# Altium PCB DTU_V1.0.PcbDoc (part 3 of 3)
Units mil, origin at the board's own origin, x right, y up, seen from the top; angles counter-clockwise.
Board outline 7874.02 x 4133.86 mil, 2 copper layers (Top Layer, Bottom Layer); 331 components, 284 nets, 1278 pads, 2035 vias.
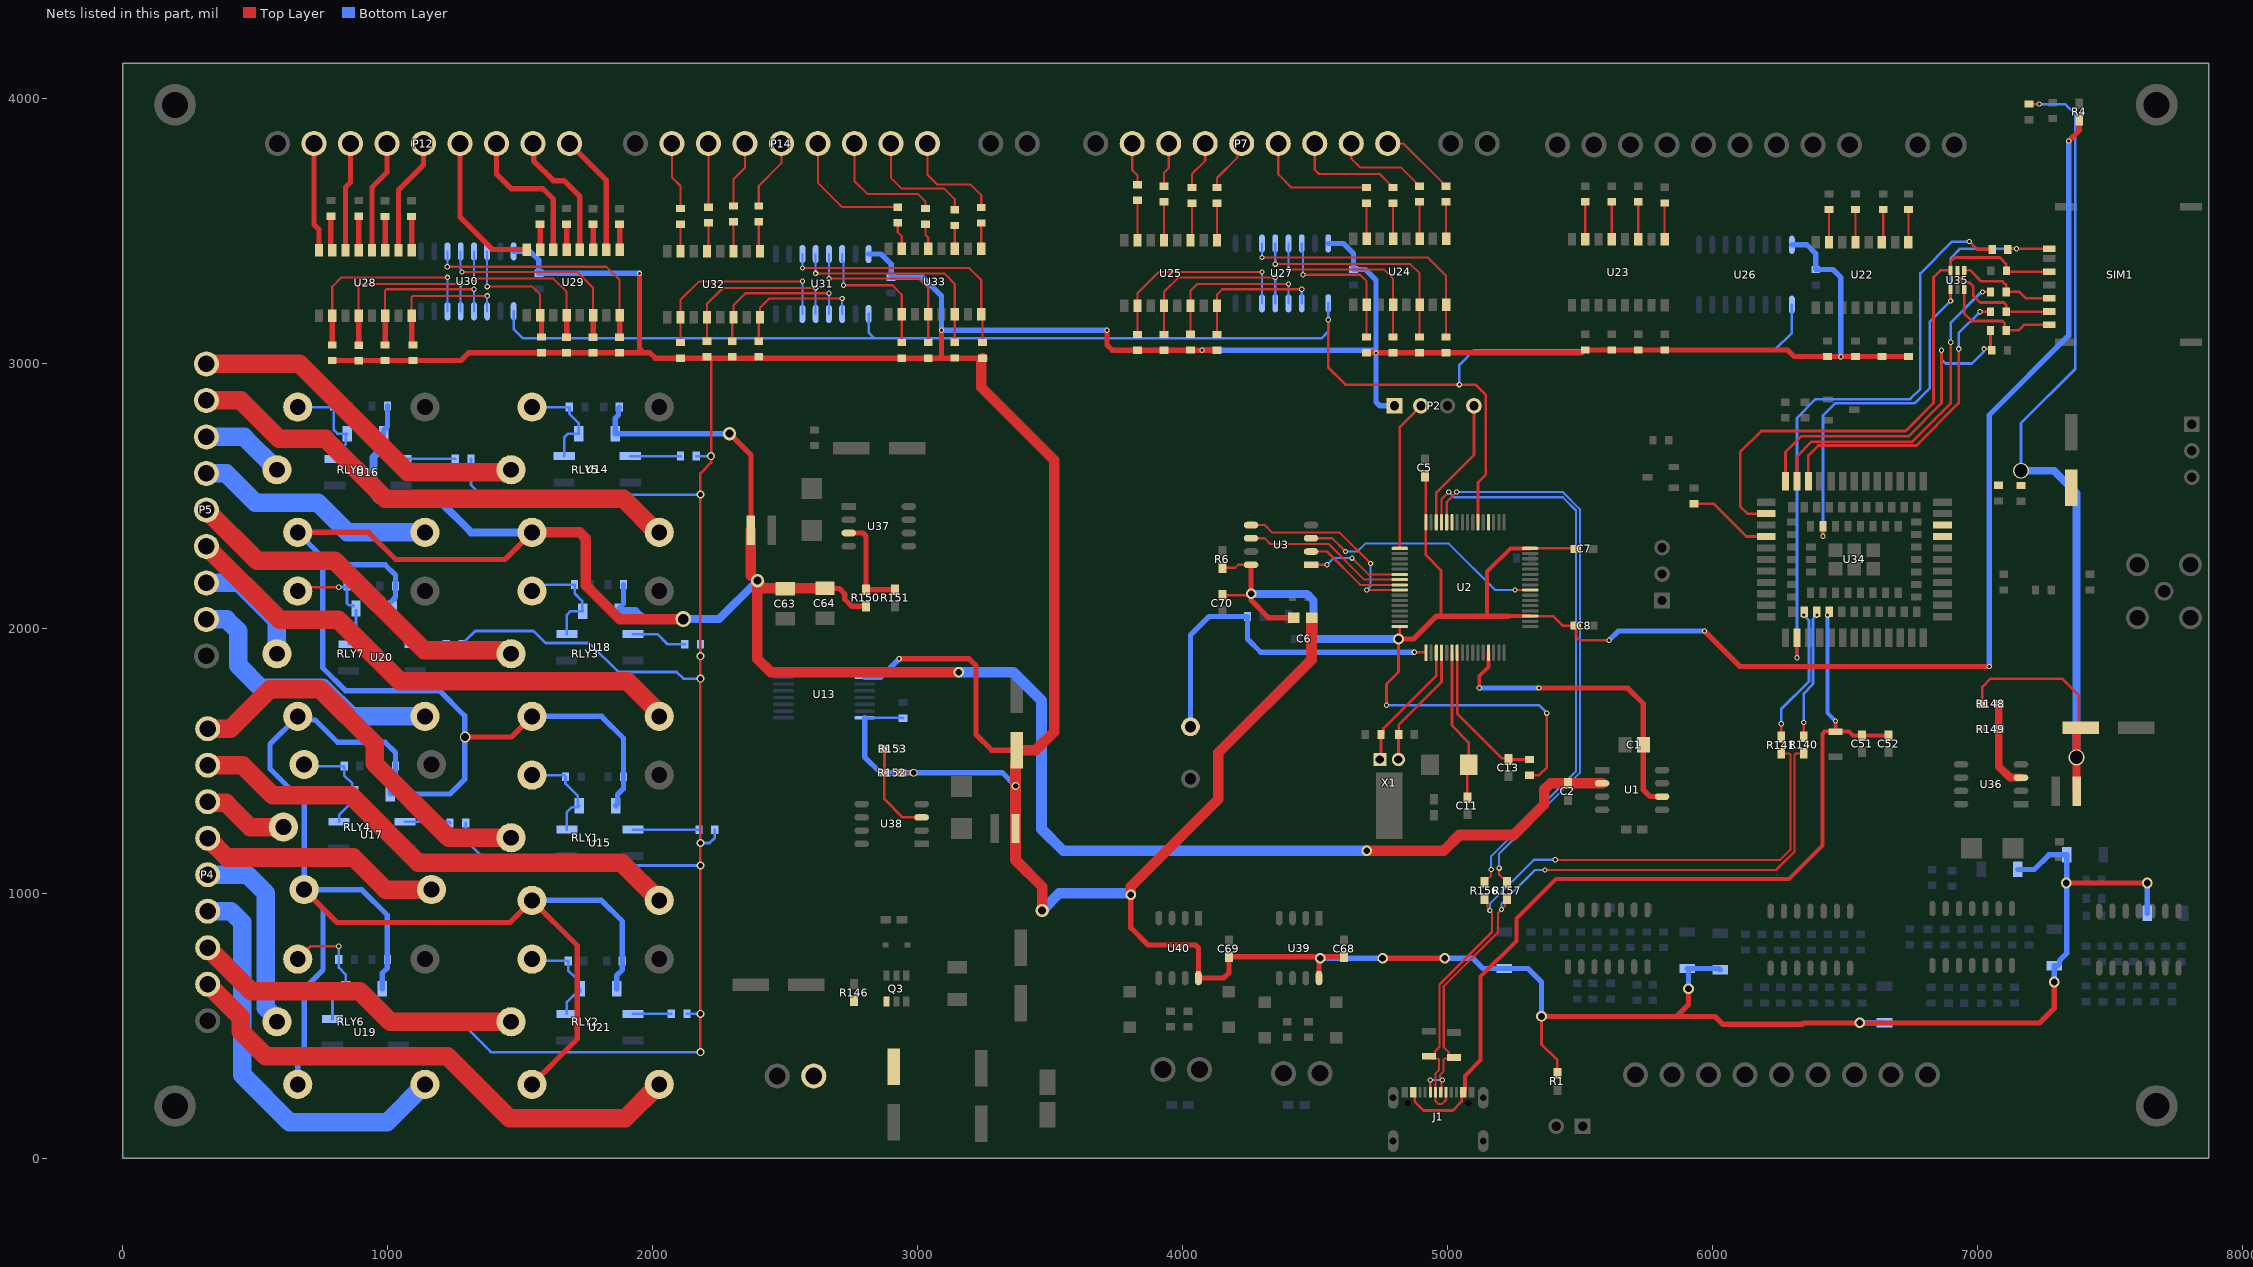
[diagram p3: the nets of this part, all layers, seen from the top]

## Via types
v1: diameter 20, hole 12, Top Layer to Bottom Layer, tented both sides, 1987 vias
v2: diameter 40, hole 25, Top Layer to Bottom Layer, tented both sides, 17 vias
v3: diameter 30, hole 20, Top Layer to Bottom Layer, tented both sides, 12 vias
v4: diameter 40, hole 30, Top Layer to Bottom Layer, tented both sides, 11 vias
v5: diameter 50, hole 30, Top Layer to Bottom Layer, tented both sides, 3 vias
v6: diameter 60, hole 50, Top Layer to Bottom Layer, tented both sides, 3 vias
v7: diameter 60, hole 40, Top Layer to Bottom Layer, tented both sides, 1 vias
v8: diameter 70, hole 50, Top Layer to Bottom Layer, tented both sides, 1 vias

## Nets (pads, with @x,y where several pads share a name; then routed paths per layer and width w, separated by ;. In a path a pad name is that pad's centre, name@x,y a point inside that pad or via, vN(x,y) a via of type N, cw(c..) or ccw(c..) an arc to the next point about the centre after c; other vN are vias at no path point) (continued)
NetR57_1: R57.1 U14.1 | length 190
  Bottom Layer w10: U14.1@1915,2650 R57.1@2105,2650
NetR58_1: R58.1 U15.1 | length 250
  Bottom Layer w10: U15.1@1925,1240 R58.1@2175,1240
NetR61_1: R61.1 U16.1 | length 205
  Bottom Layer w10: U16.1@1050,2640 R61.1@1255,2640
NetR62_1: R62.1 U17.1 | length 172.1
  Bottom Layer w10: U17.1@1065,1270 1230,1270 R62.1@1235,1265
NetR65_1: R65.1 U18.1 | length 211.7
  Bottom Layer w10: U18.1@1925,1978 2017.46,1978 2055.46,1940 R65.1@2120.94,1940
NetR66_1: R66.1 U19.1 | length 165
  Bottom Layer w10: U19.1@1040,525 R66.1@1205,525
NetR69_1: R69.1 U20.1 | length 158
  Bottom Layer w10: U20.1@1065,1945 1070,1940 R69.1@1220.94,1940
NetR70_1: R70.1 U21.1 | length 145
  Bottom Layer w10: U21.1@1925,545 R70.1@2070,545
NetR71_1: R71.1 U22.1 | length 122.9
  Top Layer w8: U22.1@6740,3458.03 R71.1@6740,3580.94
NetR73_1: R73.1 U23.1 | length 137.9
  Top Layer w8: U23.1@5820,3468.03 R73.1@5820,3605.94
NetR75_1: R75.1 U22.3 | length 125
  Top Layer w8: U22.3@6640,3458.03 6645,3463.03 R75.1@6645,3580.94
NetR77_1: R77.1 U23.3 | length 142
  Top Layer w8: U23.3@5720,3468.03 R77.1@5720,3610
NetR79_1: R79.1 U22.5 | length 122.9
  Top Layer w8: U22.5@6540,3458.03 R79.1@6540,3580.94
NetR81_1: R81.1 U23.5 | length 142
  Top Layer w8: U23.5@5620,3468.03 R81.1@5620,3610
NetR83_1: R83.1 U22.7 | length 122.9
  Top Layer w8: U22.7@6440,3458.03 R83.1@6440,3580.94
NetR85_1: R85.1 U23.7 | length 142
  Top Layer w8: U23.7@5520,3468.03 R85.1@5520,3610
NetR87_1: R87.1 U24.1 | length 140
  Top Layer w8: U24.1@4995,3470 R87.1@4995,3610
NetR89_1: R89.1 U25.1 | length 140
  Top Layer w8: U25.1@4130,3465 R89.1@4130,3605
NetR91_1: R91.1 U24.3 | length 140
  Top Layer w8: U24.3@4895,3470 R91.1@4895,3610
NetR93_1: R93.1 U25.3 | length 142.1
  Top Layer w8: U25.3@4030,3465 4035,3470 R93.1@4035,3605
NetR95_1: R95.1 U24.5 | length 135
  Top Layer w8: U24.5@4795,3470 R95.1@4795,3605
NetR97_1: R97.1 U25.5 | length 145
  Top Layer w8: U25.5@3930,3465 R97.1@3930,3610
NetR100_1: R100.1 U24.7 | length 135
  Top Layer w8: U24.7@4695,3470 R100.1@4695,3605
NetR101_1: R101.1 U25.7 | length 150.9
  Top Layer w8: U25.7@3830,3465 R101.1@3830,3615.94
NetR103_1: R103.1 U28.1 | length 127
  Top Layer w20: U28.1@1090,3428.03 R103.1@1090,3555
NetR105_1: R105.1 U29.1 | length 95
  Top Layer w20: U29.1@1875,3430 R105.1@1875,3525
NetR107_1: R107.1 U28.3 | length 127
  Top Layer w20: U28.3@990,3428.03 R107.1@990,3555
NetR109_1: R109.1 U29.3 | length 95
  Top Layer w20: U29.3@1775,3430 R109.1@1775,3525
NetR111_1: R111.1 U28.5 | length 127.9
  Top Layer w20: U28.5@890,3428.03 R111.1@890,3555.94
NetR113_1: R113.1 U29.5 | length 95.9
  Top Layer w20: U29.5@1675,3430 R113.1@1675,3525.94
NetR115_1: R115.1 U28.7 | length 130
  Top Layer w20: R115.1@785,3555.94 785,3433.03 U28.7@790,3428.03
NetR117_1: R117.1 U29.7 | length 95.9
  Top Layer w20: U29.7@1575,3430 R117.1@1575,3525.94
NetR119_1: R119.1 U32.1 | length 114
  Top Layer w8: R119.1@2400,3535 2400,3428.03 U32.1@2405,3423.03
NetR121_1: R121.1 U33.1 | length 97
  Top Layer w8: U33.1@3240,3433.03 R121.1@3240,3530
NetR123_1: R123.1 U32.3 | length 112
  Top Layer w8: U32.3@2305,3423.03 R123.1@2305,3535
NetR125_1: R125.1 U33.3 | length 87.9
  Top Layer w8: U33.3@3140,3433.03 R125.1@3140,3520.94
NetR127_1: R127.1 U32.5 | length 110
  Top Layer w8: U32.5@2205,3423.03 2210,3428.03 R127.1@2210,3530.94
NetR129_1: R129.1 U33.5 | length 97.1
  Top Layer w8: R129.1@3030,3525.94 3030,3485 3040,3475 U33.5@3040,3433.03
NetR131_1: R131.1 U32.7 | length 102.9
  Top Layer w8: U32.7@2105,3423.03 R131.1@2105,3525.94
NetR133_1: R133.1 U33.7 | length 104.1
  Top Layer w8: R133.1@2925,3530.94 2925,3495 2940,3480 U33.7@2940,3433.03
NetR137_1: R137.1 U34.16 | length 324.6
  Top Layer w10: R137.1@5930,2470.94 6004.06,2470.94 6128.39,2346.61 U34.16@6203.07,2346.61
NetR140_2: R140.2 U34.60 | length 479.7
  Top Layer w10: R140.2@6345,1590.98 v1(6345,1645)
  Bottom Layer w10: v1(6345,1645) 6345,1755 6380,1790 6380,2035 v1(6395,2050)
NetR141_2: R141.2 U34.59 | length 511.8
  Top Layer w10: R141.2@6260,1590 v1(6260,1640)
  Bottom Layer w10: v1(6260,1640) 6260,1695 6365,1800 6365,2030 v1(6345,2050)
NetR142_1: R142.1 SIM1.2 U35.4 | length 379.8
  Top Layer w10: U35.4@6950.59,3351.42 6973.58,3351.42 7015,3310 7095,3310 7109.06,3295.94 R142.1@7109.06,3270 7160,3270 7184.25,3245.75 SIM1.2@7271.42,3245.75
NetR143_1: R143.1 SIM1.3 U35.3 | length 457.5
  Top Layer w10: U35.3@6950.59,3278.58 6950.59,3189.41 6980,3160 7095,3160 7104.13,3150.87 7104.13,3129.93 R143.1@7109.06,3125 7155,3125 7175.75,3145.75 SIM1.3@7271.42,3145.75
NetR144_1: R144.1 SIM1.7 U35.5 | length 459.8
  Top Layer w10: U35.5@6925,3351.42 6927.2,3349.22 6927.2,3327.8 6949.69,3305.32 6969.69,3305.32 6985.14,3289.86 6985.14,3254.86 7010,3230 7100,3230 7109.06,3220.94 R144.1@7109.06,3195 7109.8,3195.75 SIM1.7@7271.42,3195.75
NetR148_1: R148.1 R149.2 U36.3 | length 337.6
  Top Layer w30: R148.1@7080.98,1715 R149.2@7080.98,1620 7080.98,1479.02 7123.38,1436.62 U36.3@7165,1436.62
NetR150_1: R150.1 R151.2 U37.3 | length 382.2
  Top Layer w20: U37.3@2740,2360 2793.28,2360 2805,2348.28 R150.1@2805,2145.98 R151.2@2915,2145.98
NetR152_1: R152.1 R153.2 U38.3 | length 359.1
  Top Layer w10: R153.2@2875,1545 2875,1455.98 R152.1@2874.02,1455 2874.02,1355.98 2943.38,1286.62 U38.3@3015,1286.62
NetR156_2: R156.2 U2.45 | length 2184.7
  Top Layer w8: U2.45@4977.48,2400.59 4977.48,2487.48 v1(5005,2515) ; R156.2@5140,1040.98 5140,1045.98 5151,1056.98 5156,1056.98 5165,1065.98 v1(5165,1090)
  Bottom Layer w8: v1(5005,2515) 5025,2495 5435,2495 5485,2445 5485,1460 5165,1140 v1(5165,1090)
NetR157_2: R157.2 U2.44 | length 2172.7
  Top Layer w8: U2.44@4997.17,2400.59 4997.17,2477.17 v1(5035,2515) ; v1(5195,1095) 5195,1070.98 5209,1056.98 5214,1056.98 5225,1045.98 R157.2@5225,1040.98
  Bottom Layer w8: v1(5035,2515) 5435,2515 5500,2450 5500,1455 5195,1150 v1(5195,1095)
NPN_DI0: P12.1 U29.2 | length 457.7
  Top Layer w20: P12.1@1685.59,3830 1825,3690.59 U29.2@1825,3430
NPN_DI1: P12.2 U29.4 | length 496.8
  Top Layer w20: P12.2@1547.8,3830 1550.53,3827.27 1550.53,3764.47 1625,3690 1665,3690 1725,3630 U29.4@1725,3430
NPN_DI2: P12.3 U29.6 | length 559.4
  Top Layer w20: P12.3@1410,3830 1410,3715 1465,3660 1585,3660 1625,3620 U29.6@1625,3430
NPN_DI3: P12.4 U29.8 | length 580.9
  Top Layer w20: P12.4@1272.2,3830 1272.2,3552.8 1395,3430 U29.8@1525,3430
NPN_DI4: P12.5 U28.2 | length 441.1
  Top Layer w20: U28.2@1040,3428.03 1040,3655 1134.41,3749.41 P12.5@1134.41,3830
NPN_DI5: P12.6 U28.4 | length 425.4
  Top Layer w20: U28.4@940,3428.03 940,3665 996.61,3721.61 P12.6@996.61,3830
NPN_DI6: P12.7 U28.6 | length 409.8
  Top Layer w20: U28.6@840,3428.03 840,3665 858.82,3683.82 P12.7@858.82,3830
NPN_DI7: P12.8 U28.8 | length 409.8
  Top Layer w20: P12.8@721.02,3830 721.02,3523.98 740,3505 U28.8@740,3428.03
NPN_IN0: R106.2 U29.16 U30.11 | length 945.3
  Top Layer w8: v1(1224.64,3365) 1825,3365 1875,3315 U29.16@1875,3181.97
  Top Layer w20: R106.2@1875,3099.06 U29.16@1875,3181.97
  Bottom Layer w8: v1(1224.64,3365) 1225,3365.36 U30.11@1225,3423.09
NPN_IN1: R110.2 U29.14 U30.12 | length 786
  Top Layer w8: v1(1280,3345) 1715,3345 1775,3285 U29.14@1775,3181.97
  Top Layer w20: R110.2@1775,3099.06 U29.14@1775,3181.97
  Bottom Layer w8: U30.12@1275,3423.09 1275,3353.25 1280,3348.25 v1(1280,3345)
NPN_IN2: R114.2 U29.12 U30.13 | length 645.9
  Top Layer w8: v1(1324.18,3320) 1625,3320 1675,3270 U29.12@1675,3181.97
  Top Layer w20: R114.2@1675,3099.06 U29.12@1675,3181.97
  Bottom Layer w8: v1(1324.18,3320) 1325,3320.82 U30.13@1325,3423.09
NPN_IN3: R118.2 U29.10 U30.14 | length 507.6
  Top Layer w8: v1(1375,3290) 1545,3290 1575,3260 U29.10@1575,3181.97
  Top Layer w20: U29.10@1575,3181.97 1580,3176.97 R118.2@1580,3100
  Bottom Layer w8: v1(1375,3290) U30.14@1375,3423.09
NPN_IN4: R104.2 U28.16 U30.3 | length 528.1
  Top Layer w8: U28.16@1090,3180 1090,3250.31 1094.69,3255 v1(1375,3255)
  Top Layer w20: U28.16@1090,3180 1090,3073.78 1093.78,3070 R104.2@1095,3070
  Bottom Layer w8: U30.3@1375,3196.91 v1(1375,3255)
NPN_IN5: R108.2 U28.14 U30.4 | length 625.3
  Top Layer w8: U28.14@990,3180 990,3275.31 994.69,3280 v1(1325,3280)
  Top Layer w20: R108.2@990,3070 U28.14@990,3180
  Bottom Layer w8: U30.4@1325,3196.91 v1(1325,3280)
NPN_IN6: R112.2 U28.12 U30.5 | length 716.1
  Top Layer w8: U28.12@890,3180 890,3295 895,3300 v1(1275,3300)
  Top Layer w20: R112.2@890,3069.06 U28.12@890,3180
  Bottom Layer w8: U30.5@1275,3196.91 v1(1275,3300)
NPN_IN7: R116.2 U28.10 U30.6 | length 797.6
  Top Layer w8: U28.10@790,3180 790,3290 825,3325 v1(1225,3325)
  Top Layer w20: R116.2@790,3070 U28.10@790,3180
  Bottom Layer w8: U30.6@1225,3196.91 v1(1225,3325)
osc32I: C4.1 U2.3 X1.2 | length 491.6
  Top Layer w10: X1.2@4745,1505 4749.06,1509.06 C4.1@4749.06,1600 4757.83,1608.78 4757.83,1622.83 4957.8,1822.8 U2.3@4957.8,1908.46
osc32o: C9.1 U2.4 X1.1 | length 470.8
  Top Layer w10: X1.1@4815,1505 4815,1599.06 C9.1@4815.94,1600 4815.94,1635.94 4977.48,1797.48 U2.4@4977.48,1908.46
out: C11.1 U2.6 Y1.2 | length 575.7
  Top Layer w10: U2.6@5016.85,1908.46 5016.85,1633.15 5080,1570 Y1.2@5080,1485 5075,1480 C11.1@5075,1360.98
PL: U2.38 U26.1 U27.1 U30.1 U31.1 | length 6171.6
  Top Layer w10: v1(4550,3165) 4550,2985 4615,2920 5105,2920 5145,2880 5145,2580 5115.28,2550.28 U2.38@5115.28,2400.59
  Bottom Layer w10: U30.1@1475,3196.91 1475,3130 1510,3095 2837.18,3095 ; U31.1@2815,3186.91 2815,3117.18 2837.18,3095 ; U27.1@4550,3226.91 v1(4550,3165) 4550,3120 4525,3095 2837.18,3095 ; v1(5045,2920) 5045,2995 5100,3050 6235,3050 6300,3115 U26.1@6300,3221.91
PNP_DI0: P14.1 R121.2 | length 398.3
  Top Layer w8: P14.1@3036.77,3830 3036.77,3713.23 3075,3675 3200,3675 3240,3635 R121.2@3240,3589.06
PNP_DI1: P14.2 R125.2 | length 443.6
  Top Layer w8: P14.2@2898.98,3830 2898.98,3701.02 2940,3660 3100,3660 3140,3620 R125.2@3140,3580
PNP_DI2: P14.3 R129.2 | length 467.6
  Top Layer w8: P14.3@2761.18,3830 2761.18,3688.82 2810,3640 3000,3640 3030,3610 R129.2@3030,3585
PNP_DI3: P14.4 R133.2 | length 487.9
  Top Layer w8: P14.4@2623.39,3830 2623.39,3681.61 2715,3590 R133.2@2925,3590
PNP_DI4: P14.5 R119.2 | length 271.4
  Top Layer w8: R119.2@2400,3594.06 2400,3670 2485.59,3755.59 P14.5@2485.59,3830
PNP_DI5: P14.6 R123.2 | length 253.7
  Top Layer w8: R123.2@2305,3594.06 2305,3695 2347.8,3737.8 P14.6@2347.8,3830
PNP_DI6: P14.7 R127.2 | length 240
  Top Layer w8: R127.2@2210,3590 P14.7@2210,3830
PNP_DI7: P14.8 R131.2 | length 258.6
  Top Layer w8: P14.8@2072.2,3830 2072.2,3702.8 2105,3670 R131.2@2105,3585
PNP_IN0: R122.2 U31.11 U33.16 | length 978.8
  Top Layer w8: v1(2565,3360) 3195,3360 3240,3315 U33.16@3240,3185 3245,3180 R122.2@3245,3085
  Bottom Layer w8: v1(2565,3360) U31.11@2565,3413.09
PNP_IN1: R126.2 U31.12 U33.14 | length 834.7
  Top Layer w8: v1(2615,3340) 3100,3340 3140,3300 U33.14@3140,3185 R126.2@3140,3080
  Bottom Layer w8: v1(2615,3340) U31.12@2615,3413.09
PNP_IN2: R130.2 U31.13 U33.12 | length 692.6
  Top Layer w8: v1(2665,3320) 3005,3320 3040,3285 U33.12@3040,3185 R130.2@3040,3075
  Bottom Layer w8: v1(2665,3320) U31.13@2665,3413.09
PNP_IN3: R134.2 U31.14 U33.10 | length 544
  Top Layer w8: v1@2720.69,3295 2905,3295 2940,3260 U33.10@2940,3185 R134.2@2940,3070
  Bottom Layer w8: U31.14@2715,3413.09 2715,3385.96 2720,3380.96 v1(2720,3295)
PNP_IN4: R120.2 U31.3 U32.16 | length 510.6
  Top Layer w8: R120.2@2400,3084.06 2400,3170 U32.16@2405,3175 2405,3210 2440,3245 v1(2715,3245)
  Bottom Layer w8: U31.3@2715,3186.91 v1(2715,3245)
PNP_IN5: R124.2 U31.4 U32.14 | length 594.7
  Top Layer w8: R124.2@2300,3084.06 2300,3170 U32.14@2305,3175 2305,3220 2350,3265 v1(2665,3265)
  Bottom Layer w8: U31.4@2665,3186.91 v1(2665,3265)
PNP_IN6: R128.2 U31.5 U32.12 | length 673.9
  Top Layer w8: R128.2@2205,3084.06 U32.12@2205,3175 2205,3225 2265,3285 v1(2615,3285)
  Bottom Layer w8: U31.5@2615,3186.91 v1(2615,3285)
PNP_IN7: R132.2 U31.6 U32.10 | length 773
  Top Layer w8: R132.2@2105,3079.06 U32.10@2105,3175 2105,3240 2175,3310 v1(2565,3310)
  Bottom Layer w8: U31.6@2565,3186.91 v1(2565,3310)
Q7: U2.36
RELAY1: C32.1 D11.1 RLY1.4 U15.4 | length 382.5
  Bottom Layer w10: RLY1.4@1544.21,1445.81 1665.13,1445.81 C32.1@1670.94,1440 1670.94,1414.06 1716.33,1368.67 1716.33,1335.87 D11.1@1722.2,1330 1717.55,1325.35 1695.35,1325.35 1676,1306 U15.4@1676,1240
RELAY2: C35.1 D13.1 RLY4.4 U17.4 | length 401.1
  Bottom Layer w10: RLY4.4@684.21,1486.22 690.43,1480 C35.1@835,1480 835,1445 866.33,1413.67 866.33,1379.77 D13.1@871.1,1375 858.82,1362.72 858.82,1338.82 816,1296 U17.4@816,1270
RELAY3: C37.1 D15.1 RLY6.4 U19.4 | length 502.9
  Top Layer w10: RLY6.4@660,751.22 708.78,800 v1(815,800)
  Bottom Layer w10: U19.4@791,525 791,626 805,640 D15.1@841.1,640 841.1,693.9 815,720 C37.1@815,750 v1(815,800)
RELAY4: C39.1 D17.1 RLY2.4 U21.4 | length 385.5
  Bottom Layer w10: RLY2.4@1544.21,751.22 1550.43,745 C39.1@1680.94,745 1680.94,709.06 1713.82,676.18 1713.82,652.28 D17.1@1726.1,640 1726.1,628.49 1713.39,615.77 1701.87,615.77 1676,589.9 U21.4@1676,545
RELAY5: C31.1 D10.1 RLY5.4 U14.4 | length 387.6
  Bottom Layer w10: RLY5.4@1544.21,2835 C31.1@1685,2835 1685.87,2834.13 1685.87,2809.13 1721.1,2773.9 D10.1@1721.1,2735 1680,2735 1666,2721 U14.4@1666,2650
RELAY6: C34.1 D12.1 RLY8.4 U16.4 | length 398.6
  Bottom Layer w10: RLY8.4@660,2835 790.94,2835 C34.1@795.94,2840 795.94,2749.06 810,2735 D12.1@846.1,2735 841.33,2730.23 841.33,2696.33 809.14,2664.14 809.14,2648.14 U16.4@801,2640
RELAY7: C36.1 D14.1 RLY3.4 U18.4 | length 422.8
  Bottom Layer w10: RLY3.4@1544.21,2140.41 1571.27,2140.41 1595.86,2165 C36.1@1705,2165 1705,2132.5 1733.83,2103.67 1733.83,2067.27 D14.1@1736.1,2065 1690,2065 1676,2051 1676,2011 U18.4@1676,1978
RELAY8: C38.1 D16.1 RLY7.4 U20.4 | length 480.1
  Top Layer w10: RLY7.4@660,2140.41 674.59,2155 v1(815,2155)
  Bottom Layer w10: RLY7.4@660,2140.41 687.06,2140.41 RLY7.4@707.47,2120 ; v1(815,2155) 815.95,2155.95 C38.1@841.9,2155.95 ; C38.1@845.94,2160 845.94,2094.06 853.14,2086.86 867.28,2086.86 D16.1@871.33,2082.81 ; U20.4@853.09,1940 853.09,1978.09 880,2005 D16.1@880,2068.67
RELAYA_1: P4.1 RLY1.5 | length 1483.2
  Top Layer w70: P4.1@320,1621.18 406.18,1621.18 555,1770 745,1770 950,1565 950,1490 1230.41,1209.59 RLY1.5@1465.47,1209.59
RELAYA_2: P4.3 RLY4.5 | length 325.1
  Top Layer w70: P4.3@320,1345.59 324.69,1340.9 389.1,1340.9 480,1250 RLY4.5@605.47,1250
RELAYA_3: P4.5 RLY6.5 | length 751.1
  Bottom Layer w70: P4.5@320,1070 470,1070 540,1000 540,567.09 581.26,525.83 RLY6.5@581.26,515
RELAYA_4: P4.7 RLY2.5 | length 1261.2
  Top Layer w70: P4.7@320,794.41 484.41,630 893.79,630 1008.79,515 RLY2.5@1465.47,515
RELAYA_5: P5.1 RLY5.5 | length 1319.6
  Top Layer w70: P5.1@315,2998.39 666.62,2998.39 1075,2590 RLY5.5@1465.47,2590
RELAYA_6: P5.3 RLY8.5 | length 317.6
  Bottom Layer w70: P5.3@315,2722.8 457.25,2722.8 RLY8.5@581.26,2598.78
RELAYA_7: P5.5 RLY3.5 | length 1370.2
  Top Layer w70: P5.5@315,2447.2 507.2,2255 800,2255 1138.33,1916.67 RLY3.5@1465.47,1916.67
RELAYA_8: P5.7 RLY7.5 | length 450
  Bottom Layer w70: P5.7@315,2171.61 438.39,2171.61 581.26,2028.74 RLY7.5@581.26,1904.19
RELAYB_1: P4.2 RLY1.2 | length 1915.8
  Top Layer w70: P4.2@320,1483.39 451.61,1483.39 565,1370 860,1370 1115.41,1114.59 1883.34,1114.59 RLY1.2@2024.53,973.39
RELAYB_2: P4.4 RLY4.2 | length 924.9
  Top Layer w70: P4.4@320,1207.8 392.8,1135 870,1135 991.2,1013.8 RLY4.2@1164.54,1013.8
RELAYB_3: P4.6 RLY6.2 | length 1546.9
  Bottom Layer w70: P4.6@320,932.21 407.79,932.21 450,890 450,315 630,135 996.53,135 RLY6.2@1140.33,278.8
RELAYB_4: P4.8 RLY2.2 | length 1998.7
  Top Layer w70: P4.8@320,656.62 445,531.62 445,478.81 538.81,385 1225,385 1460,150 1895.74,150 RLY2.2@2024.53,278.8
RELAYB_5: P5.2 RLY5.2 | length 1919.5
  Top Layer w70: P5.2@315,2860.59 444.41,2860.59 590,2715 765,2715 990,2490 1888.33,2490 RLY5.2@2024.53,2353.8
RELAYB_6: P5.4 RLY8.2 | length 917.5
  Bottom Layer w70: P5.4@315,2585 315.15,2584.85 390.15,2584.85 500,2475 735,2475 847.42,2362.58 RLY8.2@1140.33,2362.58
RELAYB_7: P5.6 RLY3.2 | length 1970.1
  Top Layer w70: P5.6@315,2309.41 591.91,2032.5 812.5,2032.5 1045,1800 1905,1800 RLY3.2@2024.53,1680.47
RELAYB_8: P5.8 RLY7.2 | length 1052.9
  Bottom Layer w70: P5.8@315,2033.82 391.18,2033.82 435,1990 435,1860.26 520,1775.26 754.74,1775.26 862.01,1667.99 RLY7.2@1140.33,1667.99
RST: C13.2 R5.1 U2.7 | length 575.3
  Top Layer w10: U2.7@5036.54,1908.46 5036.54,1678.46 5205.86,1509.14 5225.86,1509.14 C13.2@5230,1505 R5.1@5310,1505
SIM_CLK: C56.1 R143.2 U34.13 | length 1307.9
  Top Layer w10: U34.13@6275.91,2555.28 6275.91,2665.91 6335,2725 6740,2725 6865,2850 v1(6865,3050) ; v1(7025,3055) C56.1@7050,3055 ; R143.2@7050,3125 C56.1@7050,3055 ; C56.1@7055,3050 C56.1@7050,3055
  Bottom Layer w10: v1(6865,3050) 6865,3015 6880,3000 6980,3000 7025,3045 v1(7025,3055)
SIM_DATA: R144.2 U34.11 | length 1164.7
  Top Layer w10: U34.11@6362.52,2555.28 6362.52,2652.52 6400,2690 6770,2690 6930,2850 v1(6930,3055) ; v1(7010,3195) R144.2@7050,3195
  Bottom Layer w10: v1(6930,3055) 6930,3115 v1(7010,3195)
SIM_PRE: R145.1 SIM1.8 U34.79 U35.1 | length 1926.4
  Top Layer w10: v1(6417.64,2347.64) U34.79@6417.64,2385.98 ; v1(6899.41,3235.59) U35.1@6899.41,3278.58 ; R145.1@7115,3430 7118.15,3433.15 v1(7147.77,3433.15) SIM1.8@7271.42,3433.15
  Bottom Layer w10: v1(6417.64,2347.64) 6417.64,2802.64 6465,2850 6764.04,2850 6820,2905.96 6820,3156.18 v1(6899.41,3235.59) 6899.41,3396.85 6935.71,3433.15 v1(7147.77,3433.15)
SIM_RST: R142.2 U34.12 | length 1260.5
  Top Layer w10: U34.12@6319.21,2555.28 6319.21,2649.21 6375,2705 6755,2705 6900,2850 v1(6900,3080) ; v1(7020,3270) R142.2@7050,3270
  Bottom Layer w10: v1(6900,3080) 6900,3155 7010,3265 7012.29,3265 7017.29,3270 v1(7020,3270)
SPI1_CS: U2.54 U3.1 | length 370.7
  Top Layer w8: U3.1@4485,2240 v1(4545,2240) ; v1(4640,2265) 4701.26,2203.74 U2.54@4820,2203.74
  Bottom Layer w8: v1(4545,2240) 4570,2265 v1(4640,2265)
SPI1_MISO: U2.56 U3.2 | length 387
  Top Layer w8: U3.2@4485,2290 4545,2290 4670.63,2164.37 U2.56@4820,2164.37
SPI1_MOSI: U2.57 U3.5 | length 742.8
  Top Layer w8: U3.5@4258.62,2390 4310,2390 4338.5,2361.5 4593.5,2361.5 v1(4710,2245) ; v1(4695,2145) 4695.31,2144.69 U2.57@4820,2144.69
  Bottom Layer w8: v1(4695,2145) 4710,2160 v1(4710,2245)
SPI1_SCK: U2.55 U3.6 | length 626
  Top Layer w8: U3.6@4258.62,2340 4310,2340 4331.5,2318.5 4551.5,2318.5 4685.94,2184.06 U2.55@4820,2184.06
SPI1_WP: U2.24 U3.3 | length 932.9
  Top Layer w8: U3.3@4485,2340 4565,2340 v1(4615,2290) ; v1(5255,2145) 5255.31,2144.69 U2.24@5312.13,2144.69
  Bottom Layer w8: v1(4615,2290) 4660,2290 4690,2320 5005,2320 5180,2145 v1(5255,2145)
SWCLK: P2.2 U2.49 | length 571
  Top Layer w10: U2.49@4820,2302.17 4820,2760 P2.2@4900,2840
SWD: P2.4 U2.46 | length 498.3
  Top Layer w10: U2.46@4957.8,2400.59 4957.8,2512.8 5100,2655 P2.4@5100,2840
USB_ID: U2.43
USB_N: D20.2 J1.A7 J1.B7 R140.1 R157.1 | length 2602.8
  Top Layer w8: v1(4935,295) 4935,249.47 J1.B7@4935.47,249 ; J1.A7@4974.84,249 4976.75,250.91 4976.75,268.65 4977.46,269.37 4977.46,284.31 4977.7,284.55 4977.7,292.7 v1(4980,295) 4980,296.84 4971.16,305.69 4971.16,313.47 4984.46,326.78 4984.46,371.52 4989.15,376.2 5021.2,376.2 D20.2@5025,380 5013.69,380 5004.89,388.8 5004.89,400.11 4986,419 4986,648.87 5190.5,853.37 5190.5,925.5 v1(5203.6,938.6) 5216.7,951.7 5216.7,970.72 R157.1@5225,979.02 ; v1(5368.12,1087.66) 6240.28,1087.66 6310.5,1157.87 6310.5,1467.35 6310.7,1467.55 6310.7,1523.35 6315.39,1528.03 6344.02,1528.03 R140.1@6345,1529.02
  Bottom Layer w8: v1(4935,295) v1(4980,295) ; v1(5203.6,938.6) 5203.6,960.73 5330.52,1087.66 v1(5368.12,1087.66)
USB_P: D21.2 J1.A6 J1.B6 R141.1 R156.1 | length 2638.6
  Top Layer w8: J1.B6@4994.53,249 4994.53,219.53 4980,205 4965,205 4955.16,214.84 J1.A6@4955.16,249 4955.16,320.1 4968.46,333.41 4968.46,371.52 4963.78,376.2 4938.8,376.2 D21.2@4930,385 4943.78,385 4952.57,393.8 4952.57,402.57 4970,420 4970,655.5 5168.1,853.6 5168.1,924.31 5160,932.41 v1(5160,935) 5160,936.69 5151,945.69 5151,968.02 R156.1@5140,979.02 ; v1(5407.01,1126.55) 5408.56,1125 6255,1125 6294.5,1164.5 6294.5,1473.97 6294.7,1474.18 6294.7,1523.35 6290.02,1528.03 R141.1@6260,1528.03
  Bottom Layer w8: v1(5160,935) 5160,960 5326.55,1126.55 v1(5407.01,1126.55)
VCC_3.3V: C33.1 C44.2 C45.2 C46.2 C47.2 C67.1 C68.1 C69.1 D2.2 D3.2 D4.2 D5.2 D6.2 D7.2 D8.2 D9.2 FB1.1 L3.1 P2.1 R1.1 R57.2 R58.2 R61.2 R62.2 R65.2 R66.2 R69.2 R70.2 R72.1 R74.1 R76.1 R78.1 R80.1 R82.1 R84.1 R86.1 R88.1 R90.1 R92.1 R94.1 R96.1 R98.1 R99.1 R102.1 R104.1 R106.1 R108.1 R110.1 R112.1 R114.1 R116.1 R118.1 R120.1 R122.1 R124.1 R126.1 R128.1 R130.1 R132.1 R134.1 R152.2 U13.10 U13.16 U26.16 U27.16 U30.16 U31.16 U39.8 U40.8 | length 27941.1
  Top Layer w10: v3(2180,400) v3(2180,545) v3(2180,1105) v3(2180,1810) v3(2180,1895) v3(2180,2505) 2180,2585 2220.7,2625.7 2220.7,3012.25 R128.1@2212.95,3020 ; R152.2@2935.98,1455 v3(2985,1455) ; v2(5355,535) 5355,430 5415,370 R1.1@5415,320.98
  Top Layer w20: R116.1@790,3010.94 R108.1@990,3010.94 R104.1@1095,3010.94 1275.94,3010.94 1305.94,3040.94 R118.1@1580,3040.94 1874.06,3040.94 R106.1@1875,3040 1965.73,3040 ; v1(1950,3340) 1950,3055.73 1965.73,3040 ; v1(2930,1885) 3195,1885 3220,1860 3220,1600 3280.12,1539.88 C67.1@3375,1539.88 ; v1(3090,3125) 3090,3023.95 3093.95,3020 ; R122.1@3245,3020 3093.95,3020 ; v1(3715,3125) 3715,3070 3735,3050 R102.1@3830,3050 R98.1@3930,3050 v1(4073.74,3050) R90.1@4130,3050 ; v2(3805,995) 3805,870 3870,805 4048.28,805 4060,793.28 U40.8@4060,680 4155,680 4175,700 C69.1@4175,760 v2@4525.06,760 ; U39.8@4515,680 4515,749.94 v2(4520.03,754.97) v2@4525.06,760 ; C68.1@4610,760 v2@4525.06,760 ; R99.1@4695,3040.94 R96.1@4795,3040.94 R92.1@4895,3040.94 R88.1@4995,3040.94 5507.05,3040.94 5517.05,3050.94 R86.1@5520,3050.94 R82.1@5620,3050.94 R78.1@5720,3050.94 R74.1@5820,3050.94 6284.06,3050.94 6309.06,3025.94 R84.1@6435,3025.94 R80.1@6540,3025.94 R76.1@6640,3025.94 R72.1@6740,3025.94 ; v2(4754.97,754.97) v2(4989.97,754.97) ; v2(5355,535) 5865,535 ; v2(5910,640) 5910,580 5865,535 ; v2(7290,665) 7290,565 7235,510 6343.28,510 6338.28,505 6040,505 6010,535 5865,535 ; v2(7336.1,1038.9) v2(7641.1,1038.9) ; 1965.73,3040 1990,3040 2010,3020 R132.1@2105,3020 2212.95,3020 2392.05,3020 2397.05,3025 R120.1@2400,3025 2403.78,3021.22 2417.23,3021.22 2418.45,3020 R134.1@2940,3020 R130.1@3040,3020 3093.95,3020
  Top Layer w40: R122.1@3245,3020 3240,3015 3240,2910 3515,2635 3515,1610 3444.88,1539.88 C67.1@3375,1539.88 3375,1494.61 3369.37,1488.98 L3.1@3369.37,1245 3369.37,1125.63 3470,1025 v5(3470,935) ; v2(3805,995) 3805,1025 4135,1355 4135,1530 4486.93,1881.93 FB1.1@4486.93,2040
  Bottom Layer w10: R66.2@1264.06,525 1264.06,522.05 1272.83,513.27 1275.79,513.27 1389.06,400 v3(2180,400) ; R69.2@1280,1940 1280,1942.95 1288.78,1951.73 1291.73,1951.73 1330,1990 1550,1990 1595,1945 1760,1945 1870,1835 2090.33,1835 2115.33,1810 v3(2180,1810) ; R62.2@1294.06,1265 1294.06,1200.94 1390,1105 v3(2180,1105) ; R61.2@1314.06,2640 1314.06,2540.94 1350,2505 v3(2180,2505) ; R70.2@2129.06,545 v3(2180,545) ; R57.2@2164.06,2650 v3(2220,2650) ; v3(2180,1190) 2215,1190 2234.06,1209.06 R58.2@2234.06,1240 ; v3(2180,1895) R65.2@2180,1940 ; U13.16@2800.09,1662 2943.94,1662 C33.1@2945,1660.94
  Bottom Layer w20: U30.16@1475,3423.09 1536.91,3423.09 1570,3390 C44.2@1570,3340 v1(1950,3340) ; U13.16@2800.09,1662 2800.09,1514.91 2860,1455 v3(2985,1455) 3320,1455 v3(3370,1405) ; U13.10@2800.09,1815.54 2860.54,1815.54 v1(2930,1885) ; U31.16@2815,3413.09 2861.91,3413.09 2900,3375 C45.2@2900,3325 3020,3325 3090,3255 v1(3090,3125) v1(3715,3125) ; v1(4073.74,3050) 4720,3050 v1(4730,3040) ; v2(4520.03,754.97) v2(4754.97,754.97) ; U27.16@4550,3453.09 4606.91,3453.09 4645,3415 C46.2@4645,3355 4690,3355 4730,3315 v1(4730,3040) ; P2.1@4800,2840 4745,2840 4730,2855 v1(4730,3040) ; v2(4989.97,754.97) 5095.03,754.97 5133.9,716.1 D6.2@5215,716.1 5303.9,716.1 5355,665 v2(5355,535) ; v2(5910,640) 5910,711.1 D4.2@5905,716.1 6025,716.1 D9.2@6030,711.1 ; U26.16@6300,3448.09 6356.91,3448.09 6390,3415 C47.2@6390,3355 6455,3355 6485,3325 v1(6485,3025) ; v2(6556.1,511.1) D8.2@6650,511.1 ; D3.2@7152.8,1090 7215,1090 7270,1145 D7.2@7337.2,1145 7337.2,772.59 7310.24,745.63 7310.24,733.82 7302.53,726.1 D2.2@7290.71,726.1 7290.71,665.71 v2(7290,665) ; D5.2@7641.1,925 v2(7641.1,1038.9)
  Bottom Layer w40: v5(3470,935) 3535,1000 v2@3805,1000
VCC_4G: C48.1 C49.2 C50.2 C60.1 L1.1 LED2.1 R148.2 U34.42 U34.43 | length 3696.3
  Top Layer w10: R148.2@7019.02,1715 7019.02,1779.02 7050,1810 7320,1810 7383.62,1746.38 C60.1@7383.62,1625 ; LED2.1@7195,3979.06 v1(7234.06,3979.06)
  Top Layer w30: L1.1@7375,1385 v6(7375,1513.15) 7375,1616.38 C60.1@7383.62,1625
  Bottom Layer w10: v6(7165,2595) 7165,2775 7370,2980 7370,3940.74 7331.68,3979.06 v1(7234.06,3979.06)
  Bottom Layer w30: v6(7165,2595) 7290,2595 7375,2510 v6(7375,1513.15)
VCC_5V: C2.2 C63.1 C64.1 D10.2 D11.2 D12.2 D13.2 D14.2 D15.2 D16.2 D17.2 L2.1 R55.2 R56.2 R59.2 R60.2 R63.2 R64.2 R67.2 R68.2 R150.2 RLY1.1 RLY2.1 RLY3.1 RLY4.1 RLY5.1 RLY6.1 RLY7.1 RLY8.1 U1.2 | length 17516.4
  Top Layer w20: RLY8.1@660,2362.56 927.44,2362.56 1030,2260 1441.65,2260 RLY5.1@1544.21,2362.56 ; RLY4.1@684.21,1013.78 807.99,890 1460.83,890 RLY1.1@1544.21,973.37 1715,802.58 1715,449.57 RLY2.1@1544.21,278.78 ; v4(1291.55,1590) 1466.24,1590 RLY3.1@1544.21,1667.97 ; v5(2290,2735) 2370.63,2654.37 L2.1@2370.63,2370 ; C64.1@2650,2152.09 2651.79,2150.3 2704.7,2150.3 2725,2130 2725,2110 2750.98,2084.02 R150.2@2805,2084.02
  Top Layer w40: RLY5.1@1544.21,2362.56 1724.01,2362.56 1747.44,2339.13 1747.44,2162.56 1875,2035 v7(2115,2035) ; 2370.63,2199.37 L2.1@2370.63,2370 ; v5(2395,2180) v5@2395,2175 ; C64.1@2650,2152.09 2417.91,2152.09 v5@2395,2175 ; v2(3155,1835) 2445,1835 2395,1885 v5@2395,2175 ; v2(4695,1160) 4985.5,1160 5045.5,1220 5250,1220 5365.89,1335.89 5365.89,1391.57 5389.32,1415 C2.2@5455,1415 U1.2@5583.62,1415
  Bottom Layer w20: RLY6.1@660,278.78 660,395 685,420 685,640 755,710 755,942.99 RLY4.1@684.21,1013.78 ; RLY8.1@660,2362.56 754.41,2268.15 ; D15.2@978.9,640 978.9,698.9 998.06,718.06 998.06,916.94 901.22,1013.78 RLY4.1@684.21,1013.78 ; 983.9,2684.46 D12.2@983.9,2735 983.9,2746.81 999.06,2761.97 R59.2@999.06,2840 ; D16.2@1012.8,2101.55 1024.51,2113.27 1025.28,2113.27 1029.06,2117.05 1029.06,2120 1029.06,2200.94 990,2240 782.56,2240 754.41,2268.15 ; RLY1.1@1544.21,973.37 1806.63,973.37 1885,895 R68.2@1885,745 1885,710 1863.9,688.9 D17.2@1863.9,640 ; RLY3.1@1544.21,1667.97 1807.03,1667.97 1890,1585 R56.2@1890,1440 1890,1395 1867.34,1372.34 1867.34,1337.34 D11.2@1860,1330 ; D14.2@1873.9,2065 1873.9,2076.81 1890,2092.91 R63.2@1890,2165 ; R55.2@1874.06,2835 1870.56,2831.5 1870.56,2805.56 1858.9,2793.9 D10.2@1858.9,2735 v5(2290,2735) ; RLY4.1@684.21,1013.78 684.21,1340.79 555,1470 555,1562.97 RLY7.1@660,1667.97 674.09,1653.88 726.12,1653.88 810,1570 990,1570 1029.06,1530.94 R60.2@1029.06,1480 1029.06,1444.06 1008.9,1423.9 D13.2@1008.9,1375 1235,1375 1290,1430 1290,1670 1195,1765 840,1765 754.41,1850.59 754.41,2268.15
  Bottom Layer w30: 983.9,2684.46 945.3,2645.86 945.3,2504.7 965,2485 1192.27,2485 1314.71,2362.56 RLY5.1@1544.21,2362.56 ; D14.2@1873.9,2065 1935,2065 1965,2035 2250,2035 v5(2395,2180)
  Bottom Layer w40: v2(3155,1835) 3360,1835 3467.5,1727.5 3467.5,1242.5 3550,1160 v2(4695,1160)
VCC_IN: C58.1 P16.2 Q3.4 R146.1
VCC_MCU: C5.2 C6.2 C7.2 C8.2 C70.2 D1.1 FB1.2 R4.2 R5.2 R6.1 U2.19 U2.32 U2.48 U2.64 U3.8 | length 8134.8
  Top Layer w8: R6.1@4150,2229.02 4199.02,2229.02 4210,2240 U3.8@4258.62,2240
  Top Layer w10: C70.2@4150,2125 v2@4255,2125 ; v1(4770,1710) 4770,1790 4815,1835 v2(4815,1960) ; v2@4820,1967.71 U2.64@4820,2006.89 ; C5.2@4915,2575 4918.43,2571.57 U2.48@4918.43,2400.59 4918.43,2276.57 4975.76,2219.24 4975.76,2046.26 ; R5.2@5310,1445.94 5345.94,1445.94 5375,1475 v1(5375,1680) ; U2.19@5312.13,2046.26 5398.74,2046.26 5435,2010 C8.2@5485,2010 5485,1970 5500,1955 v1(5610,1955) ; U2.32@5312.13,2302.17 C7.2@5482.83,2302.17
  Top Layer w15: 5149.25,2046.26 5149.25,2214.25 5237.17,2302.17 U2.32@5312.13,2302.17 ; 5229.08,2046.26 U2.19@5312.13,2046.26
  Top Layer w20: 4258.62,2106.38 4325,2040 FB1.2@4420,2040 ; v2@4258.62,2130 U3.8@4258.62,2240 ; v2(4815,1960) 4872.45,1960 4958.71,2046.26 4975.76,2046.26 5149.25,2046.26 5229.08,2046.26 ; C7.2@5482.83,2302.17 C7.2@5485,2300 ; v1(5970,1990) 6103.65,1856.35 v1(7045,1856.35) ; v1(7345,3840) 7385,3880 R4.2@7385,3919.02
  Bottom Layer w10: v1(4770,1710) 5345,1710 v1(5375,1680)
  Bottom Layer w20: v1(5610,1955) 5645,1990 v1(5970,1990) ; v1(7045,1856.35) 7045,2805 7345,3105 v1(7345,3840)
  Bottom Layer w30: v2(4260,2130) 4470,2130 4494.49,2105.51 D1.1@4494.49,2045 C6.2@4494.49,1960 ; C6.2@4490,1960 C6.2@4494.49,1960 ; v2(4815,1960) C6.2@4494.49,1960
VCC_RTC: C12.1 R3.2 U2.1 | length 1370.7
  Top Layer w10: v1(4875,1910) 4917.52,1910 4918.43,1909.09 U2.1@4918.43,1908.46
  Bottom Layer w20: C12.1@4030,1628.42 4030,1975 4100,2045 R3.2@4245,2045 4245,1960 4295,1910 v1(4875,1910)
VCC_VREF: C1.2 U1.6 U2.13 | length 1198
  Top Layer w15: v1(5120,1775) 5120,1820 5154.65,1854.65 U2.13@5154.65,1908.46
  Top Layer w20: v1(5345,1775) 5680,1775 5739.45,1715.55 C1.2@5739.45,1560 5739.45,1390.55 5765,1365 U1.6@5810,1365
  Bottom Layer w20: v1(5120,1775) v1(5345,1775)
VEXT: R145.2 U34.24 | length 2261.2
  Top Layer w10: v1(6319.21,1889.21) U34.24@6319.21,1964.72 ; v1(6970,3460) 7000,3430 R145.2@7055.94,3430
  Bottom Layer w10: v1(6319.21,1889.21) 6319.21,2794.21 6390,2865 6746.56,2865 6785,2903.44 6785,3340 6905,3460 v1(6970,3460)
VSIM: C55.2 SIM1.1 U34.14 U35.6 | length 2119.7
  Top Layer w10: U34.14@6203.07,2433.23 6131.77,2433.23 6105,2460 6105,2665 6185,2745 6730,2745 6835,2850 6835,3325 6861.42,3351.42 U35.6@6899.41,3351.42 6899.41,3384.41 6915,3400 7085,3400 7109.13,3375.87 7109.13,3350.87 C55.2@7110,3350 7114.25,3345.75 SIM1.1@7271.42,3345.75
VUSB: C51.2 C52.2 D19.2 J1.A4 J1.A9 J1.B4 J1.B9 U34.61 | length 3438.5
  Top Layer w10: J1.B9@4864.61,249 J1.A4@4876.42,249 4876.42,213.58 4910,180 5020,180 5053.58,213.58 J1.A9@5053.58,249
  Top Layer w15: J1.A9@5053.58,249 J1.B4@5065.39,249 5065.39,310.39 5125,370 5125,685 5260,820 5260,905 5409.67,1054.67 6289.67,1054.67 6415,1180 6415,1601.21 6423.79,1610 D19.2@6465,1610 ; v1(6465,1650) D19.2@6465,1610 ; C52.2@6665,1595 C51.2@6565,1595 6530,1595 6515,1610 D19.2@6465,1610
  Bottom Layer w15: v1(6435,2050) 6435,1680 v1(6465,1650)
WDI_0: P7.1 R87.2 | length 288.8
  Top Layer w8: P7.1@4774.57,3830 4834.06,3830 4982.27,3681.79 4982.27,3678.83 4992.05,3669.06 R87.2@4995,3669.06
WDI_1: P7.2 R91.2 | length 359.9
  Top Layer w8: P7.2@4636.77,3830 4636.77,3773.23 4670,3740 4824.06,3740 4882.27,3681.79 4882.27,3678.83 4892.05,3669.06 R91.2@4895,3669.06
WDI_2: P7.3 R95.2 | length 424.5
  Top Layer w8: P7.3@4498.98,3830 4498.98,3731.02 4515,3715 4744.06,3715 4782.27,3676.79 4782.27,3673.83 4792.05,3664.06 R95.2@4795,3664.06
WDI_3: P7.4 R100.2 | length 470.6
  Top Layer w8: P7.4@4361.18,3830 4361.18,3713.82 4410.94,3664.06 R100.2@4695,3664.06
WDI_4: P7.5 R89.2 | length 204.6
  Top Layer w8: R89.2@4130,3664.06 4130,3700 4207.8,3777.8 4207.8,3814.41 P7.5@4223.39,3830
WDI_5: P7.6 R93.2 | length 186.9
  Top Layer w8: R93.2@4035,3664.06 4035,3715 4085.59,3765.59 P7.6@4085.59,3830
WDI_6: P7.7 R97.2 | length 168.3
  Top Layer w8: R97.2@3930,3669.06 3930,3720 3947.8,3737.8 P7.7@3947.8,3830
WDI_7: P7.8 R101.2 | length 163.3
  Top Layer w8: P7.8@3810,3830 3810,3730 3830,3710 R101.2@3830,3675
WDI_IN0: R88.2 U24.16 U27.11 | length 1007.1
  Top Layer w8: v1(4300,3400) 4925,3400 4995,3330 U24.16@4995,3221.97 R88.2@4995,3100
  Bottom Layer w8: v1(4300,3400) U27.11@4300,3453.09
WDI_IN1: R92.2 U24.14 U27.12 | length 877.6
  Top Layer w8: v1(4350,3375) 4860,3375 4895,3340 U24.14@4895,3221.97 R92.2@4895,3100
  Bottom Layer w8: v1(4350,3375) U27.12@4350,3453.09
WDI_IN2: R96.2 U24.12 U27.13 | length 727.6
  Top Layer w8: v1(4400,3355) 4760,3355 4795,3320 U24.12@4795,3221.97 R96.2@4795,3100
  Bottom Layer w8: v1(4400,3355) U27.13@4400,3453.09
WDI_IN3: R99.2 U24.10 U27.14 | length 580.5
  Top Layer w8: v1(4455,3335) 4670,3335 4695,3310 U24.10@4695,3221.97 R99.2@4695,3100
  Bottom Layer w8: U27.14@4450,3453.09 4450,3425.96 4455,3420.96 v1(4455,3335)
WDI_IN4: R90.2 U25.16 U27.3 | length 532.3
  Top Layer w8: R90.2@4130,3109.06 U25.16@4130,3216.97 4130,3260 4150,3280 v1(4450,3280)
  Bottom Layer w8: U27.3@4450,3226.91 v1(4450,3280)
WDI_IN5: R94.2 U25.14 U27.4 | length 618.4
  Top Layer w8: R94.2@4030,3110 U25.14@4030,3216.97 4030,3275 4055,3300 v1(4400,3300)
  Bottom Layer w8: U27.4@4400,3226.91 v1(4400,3300)
WDI_IN6: R98.2 U25.12 U27.5 | length 701.8
  Top Layer w8: R98.2@3930,3109.06 U25.12@3930,3216.97 3930,3270 3985,3325 v1(4350,3325)
  Bottom Layer w8: U27.5@4350,3226.91 v1(4350,3325)
WDI_IN7: R102.2 U25.10 U27.6 | length 777.2
  Top Layer w8: R102.2@3830,3109.06 U25.10@3830,3216.97 3830,3265 3910,3345 v1(4300,3345)
  Bottom Layer w8: U27.6@4300,3226.91 v1(4300,3345)
pads on no net: C1.0 C2.0 C3.0 C5.0 C6.0 C7.0 C8.0 C10.0 C11.0 C13.0 C51.0 C52.0 C63.0 C64.0 C68.0 C69.0 C70.0 F1.0 J1.2 J1.A5 J1.A8 J1.B5 J1.B8 P4.9 P5.9 P7.9 P10.2 P10.3 P10.4 P10.5 P12.9 P14.9 R1.0 R4.0 R6.0 R140.0 R141.0 R146.0 R147.0 R148.0 R149.0 R150.0 R151.0 R152.0 R153.0 R154.0 R155.0 R156.0 R157.0 RLY1.3 RLY2.3 RLY3.3 RLY4.3 RLY5.3 RLY6.3 RLY7.3 RLY8.3 SIM1.6 U1.1 U1.3 U1.7 U1.8 U2.2 U2.9 U2.11 U2.25 U2.28 U2.33 U2.34 U2.35 U2.53 U2.58 U2.61 U2.62 U13.9 U26.7 U26.9 U27.7 U30.7 U30.10 U31.7 U34.2 U34.3 U34.4 U34.5 U34.6 U34.8 U34.9 U34.15 U34.19 U34.20 U34.21 U34.22 U34.23 U34.25 U34.26 U34.28 U34.29 U34.30 U34.31 U34.32 U34.33 U34.44 U34.49 U34.50 U34.51 U34.52 U34.53 U34.54 U34.55 U34.56 U34.57 U34.58 U34.62 U34.63 U34.64 U34.65 U34.66 U34.67 U34.68 U34.69 U34.74 U34.75 U34.76 U34.77 U34.78 U34.80 U34.81 U34.82 U34.83 U34.84 U34.85 U34.86 U34.87 U34.96 U34.97 U34.98 U34.99 U34.100 U34.101 U34.102 U34.103 U34.104 U34.105 U34.106 U34.107 U34.108 U34.109 X1.3

## Polygon pours and split planes (outlines as drawn)
GND on Bottom Layer "GND_L02_P001" (solid, remove dead copper, pour order 1): -440,4520 -320,4400 8420,4400 8420,-160 7845,-735 7485,-375 -440,-375 -440,4295 -370,4365
GND on Top Layer "GND_L01_P000" (solid, remove dead copper, pour order 0): -440,4525 -320,4405 8420,4405 8420,-155 7845,-730 7485,-370 -440,-370 -440,4300 -370,4370

## Keep-outs
Keep-Out Layer:
  lines w40: 40,35 40,4090 7830,4090 7830,35 40,35

## Other copper
Top Layer:
  region net VCC_4G: 6835,2405 6930,2405 ccw(c6930,2455) 6980,2455 6980,2535 cw(c7080,2535) 7080,2635 7400,2635 cw(c7400,2625) 7410,2625 7410,2450 cw(c7400,2450) 7400,2440 7325,2440 cw(c7325,2455) 7310,2455 ccw(c7245,2455) 7245,2520 7065,2520 ccw(c7065,2490) 7035,2490 7035,2370 cw(c7005,2370) 7005,2340 6835,2340 cw(c6835,2350) 6825,2350 6825,2395 cw(c6835,2395)
  pour cut-out: 414.31,3085 514.31,2985 2060,2985 2155,2890 2155,-65 2035,-185 15,-185 15,-105 -150,60 25,235 25,3085
  region net NetC57_1: 2905,715 2995,715 3075,635 3200,635 3205,630 3205,555 3200,550 2925,550 2905,570 2905,710
  region net VCC_IN: 2550,245 2925,245 2975,295 2975,445 2900,520 2900,615 2895,620 2720,620 2715,615 2715,410 2685,380 2570,380 2545,355 2545,250
Bottom Layer:
  pour cut-out: 355,3005 695,2665 695,2490 750,2435 1205,2435 1205,2285 1170,2250 1165,2255 720,2255 665,2200 665,1835 680,1820 1100,1820 1225,1695 1225,1465 1190,1430 795,1430 720,1355 720,360 730,350 1270,350 1290,330 1290,-145 -20,-145 -85,-80 -75,-70 -75,3005

## Silkscreen, mask and mechanical layers (free items; w line width, h text height)
Top Overlay:
  text "3.3V" at 4753.9,2779.93 h60 r270
  text "G" at 4979.64,2779.62 h60 r270
  text "G" at 7670,2735 h60
  text "TXD" at 7560,2640 h60
  text "DTU_V1.0" at 3745,2605 h60
  text "RXD" at 7575,2545 h60
  text "TXD" at 5876.77,2264.41 h60
  text "RXD" at 5890,2150 h60
Bottom Overlay:
  text "NDI1" at 1715,4135 h60 r90
  text "NDI8" at 750,4110 h60 r90
  text "PDI8" at 2100,4110 h60 r90
  text "WDI8" at 3845,4110 h60 r90
  text "PDI1" at 3070,4095 h60 r90
  text "WDI1" at 4805,4090 h60 r90
  text "DI8" at 5575,4070 h60 r90
  text "VO" at 3460,4065 h60 r90
  text "DI1" at 6535,4060 h60 r90
  text "VO" at 5190,4055 h60 r90
  text "G" at 5045,4035 h60 r90
  text "G" at 3335,4025 h60 r90
  text "G" at 5445,4025 h60 r90
  text "G" at 6815,4000 h60 r90
  text "VO" at 6955,3995 h60 r90
  text "5RA" at 570,2975 h60
  text "5RB" at 551.69,2832.15 h60
  text "6RA" at 565,2705 h60
  text "6RB" at 531.69,2562.15 h60
  text "7RA" at 570,2420 h60
  text "7RB" at 551.69,2272.15 h60
  text "8RA" at 560,2140 h60
  text "8RB" at 560.49,2013.8 h60
  text "1RA" at 560,1600 h60
  text "1RB" at 560,1465 h60
  text "2RA" at 545,1315 h60
  text "2RB" at 541.69,1177.15 h60
  text "3RA" at 550,1030 h60
  text "3RB" at 561.69,902.15 h60
  text "4RA" at 550,765 h60
  text "4RB" at 556.69,617.15 h60
  text "2A" at 3880,435 h60 r270
  text "2B" at 4035,430 h60 r270
  text "1A" at 4340,425 h60 r270
  text "1B" at 4500,420 h60 r270
  text "G" at 2435,165 h60 r270
  text "G" at 6790,120 h60 r270
  text "AI1" at 5675,95 h60 r270
  text "AI8" at 6660,85 h60 r270
  text "VIN" at 2595,65 h60 r270
Mechanical 1:
  the board outline again, w40